# Altium PCB Shuttler_AMC.PcbDoc (part 2 of 12)
Units mm, origin at the board's own origin, x right, y up, seen from the top; angles counter-clockwise.
Board outline 180.71 x 148.55 mm, 12 copper layers (Layer 1, Layer 2, Layer 3, Layer 4, Layer 5, Layer 6, Layer 7, Layer 8, Layer 9, Layer 10, Layer 11, Layer 12), stack 2.14 mm thick; 1184 components, 1698 nets, 9088 pads, 920 vias.
Unrouted connection lines stored in the file: 1441.
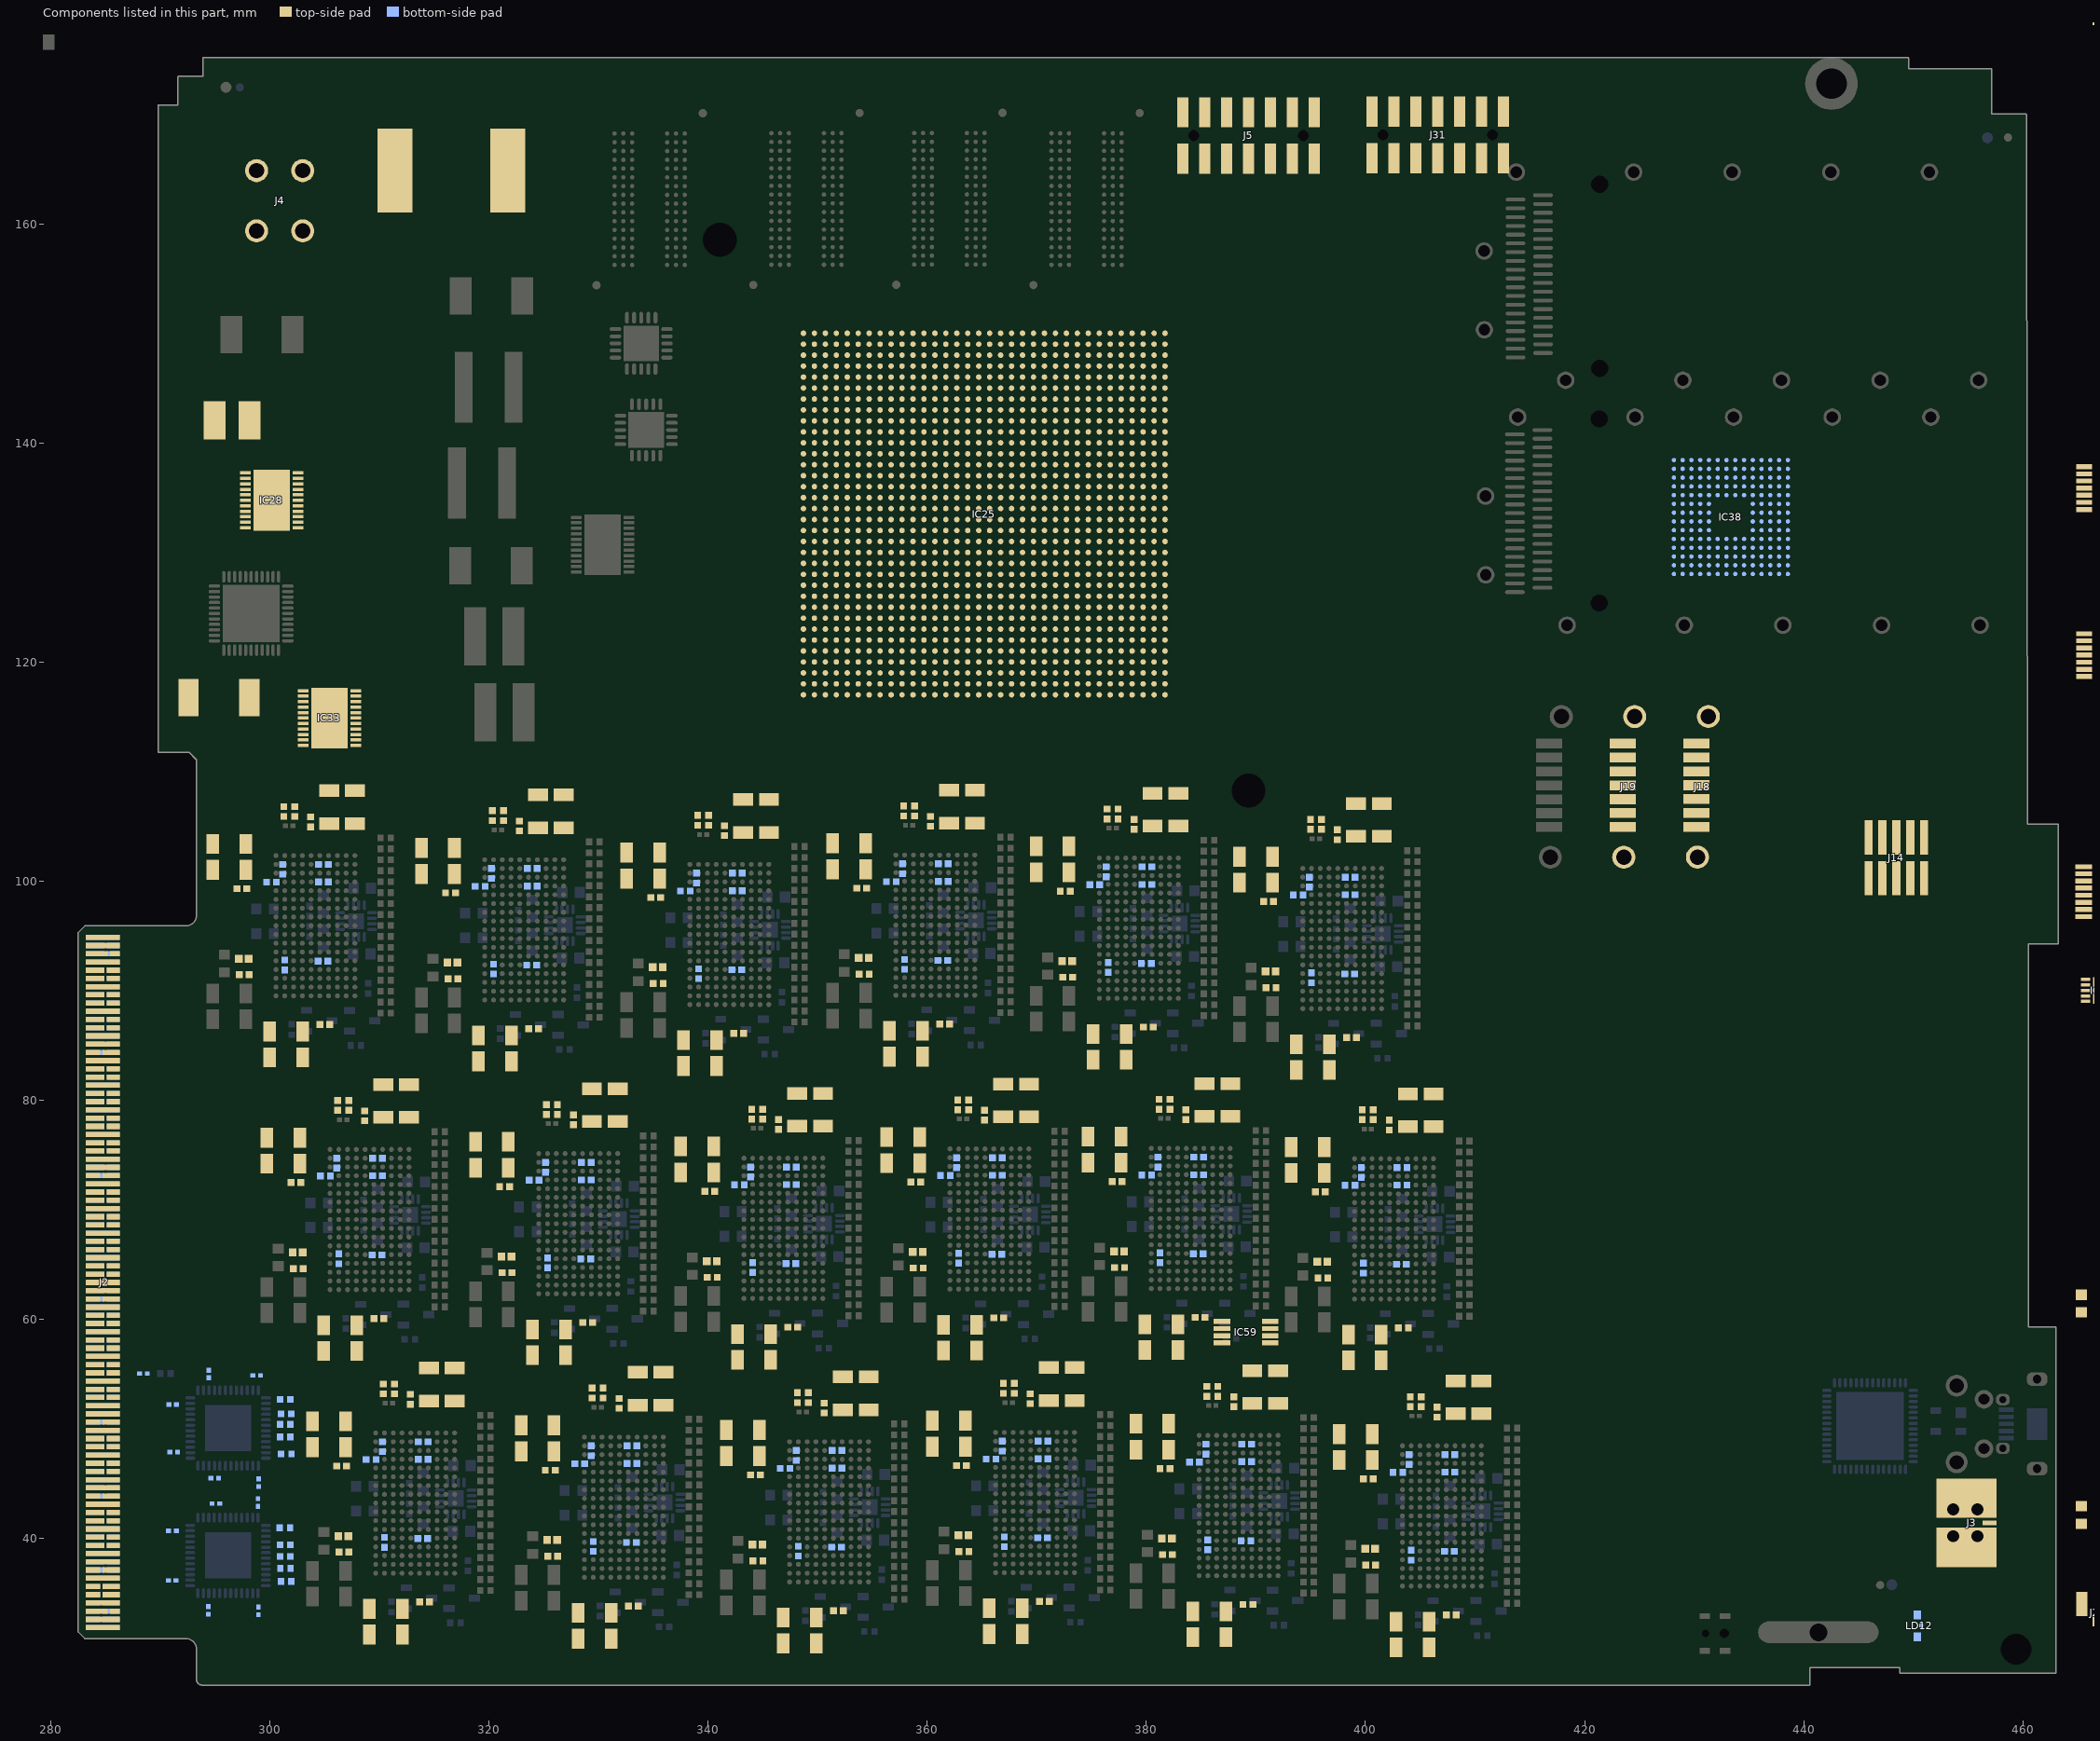
[diagram p8: the components of this part, seen from the top]

## Classes and differential pairs (continued)
component class PWR_Buck_4V_20A: C296 C414 C427 C428 C429 C430 C431 C432 IC33 L34 R368 R369 R371 R376 R377 R378 R379 R380 R381 R382 R383 R384 R385
component class PWR_0V9_20A: C16 C17 C186 C187 C188 C189 C190 C191 C249 C250 C259 C260 C261 C262 C263 C264 C265 C266 C267 C293 IC28 L25 LD11 R31 R32 R45 R233 R234 R241 R242 R245 R246 R247 R248 R249 R250 R251 R299 R310 R311 R312 R313 T13 TP28
component class POWER_Management: C282 C306 C413 C479 C672 C673 C674 C675 C708 D4 D24 D28 IC41 IC54 J4 L37 R314 R333 R334 R335 R336 R337 R338 R339 R541 R542 R543 R562 T2 T7 T15 T16 T17
component class M-LVDS_PHY: C27 C28 C29 C30 C31 C32 C33 C34 C35 C36 C37 C38 C577 C579 C680 C681 IC74 IC75 R60 R61 R62 R63 R64 R65 R66 R67 R68 R69
component class JTAG_Configuration: C232 C233 C234 C273 C274 D5 D6 D8 D9 D11 D12 D13 D14 D15 D16 D17 D18 D25 D26 IC16 IC32 IC40 J5 R128 R129 R130 R131 R132 R133 R134 R135 R136 R137 R138 R139 R140 R141 R142 R149 R151 R152 R153 R154 R201 R202 R203 R205 R207 R210 T1 T3 T5
component class I2C_MUX: B1 B2 B3 B4 C22 C285 IC9 IC52 R40 R47 R48 R49 R50 R51 R52 R53 R54 R55 R56 R57 R58 R59 R217 R218 R219 R505 R506 R517 R518 R519 R526 R527 R528 R529 R530
component class FPGA_Power: C193 C194 L16
component class FPGA_Decoupling: C195 C196 C197 C198 C199 C200 C201 C202 C203 C204 C205 C206 C207 C208 C209 C210 C211 C212 C213 C214 C215 C346 C347 C348 C349 C350 C351 C352 C353 C354 C355 C356 C357 C358 C359 C360 C361 C362 C363 C364 C365 C366 C367 C368 C369 C370 C371 C372 C373 C374 C375 C376 C377 C378 C379 C380 C381 C382 C383 C384 C385 C386 C387 C388 C389 C390 C391 C392 C393 C394 C395 C396 C397 C398 C399 C400 C401 C440 C441 C442 C443 C444 C445 C446 C447 C448 C449 C450 C451 C452 C453 C454 C455 C456 C457 C458 C459 C460 C461 C462 C463 C464 C465 C466 C467 C468 C469 C470 C471 C472 C473 C474 C475 C476 C477 C503 C504 C505 C506 C507 C508 C509 C510 C511
component class FPGA_Banks_GTH: C251 C252 C576 C578 C580 C607 C608 C609 C610 C611 C612 C613 C625 C626 C627 C628 C629 C630 C636 C637 C638 C639 C640 C641 C642 C643 C662 C663 C664 C665 C666 C667 C668 C669 J18 J19 J20 J21 J22 J23 L35 L36 OSC1 OSC2 R301 R303 R317 R318
component class FPGA_Banks_64_65_HR: C616 R253 R254 R258 R270 R291 R292 R293 R294 R297 R298 R409 R410 R411 R412 R413
component class FPGA_Banks_44_45_46_DDR64: C685 C686 IC25 J16 J17 R194 R195 R196 R305 R347 R348 R349 R350 R351 R352 R353 R354 R421 R422
component class FPGA_Bank_0_CFG: C216 C217 C218 C219 C220 C222 C223 C272 C403 C404 C631 C677 C678 C679 HS1 IC23 IC24 IC42 LD21 R171 R172 R173 R174 R175 R181 R182 R183 R184 R185 R186 R187 R188 R189 R190 R191 R192 R193 R304 R340 R342 R343 R344 R404 R515 R516 R520 R521 R522 R523 SW1 T22
component class ETH_PHY_RMII: C342 C343 C344 C345 C581 C582 C583 C584 C585 C586 C587 C588 C589 C590 C591 C592 C593 C594 C595 C596 C597 C598 C599 C600 C601 C602 C603 C604 C605 C606 IC76 IC77 J31 L54 L55 LD14 LD15 LD16 Q4 R244 R252 R278 R279 R280 R300 R302 R306 R327 R365 R366 R370 R372 R373 R374 R375 T4
component class DACs: IC65 IC66 IC67 IC68 IC69 IC70 IC71 TP1 TP9
component class DAC_supply: C221 C224 C228 C229 C230 C231 C271 C486 C487 C488 C489 C493 C494 C539 C540 C541 C543 C544 C545 C546 C547 C548 C549 C550 C551 C552 C553 C557 C558 C559 C560 C561 C562 C563 IC27 IC43 IC58 IC59 IC60 IC61 IC63 IC64 R44 R146 R147 R148 R150 R168 R169 R346 R359 R360
component class CPU_LPC1776: C88 C89 C90 C91 C92 C93 C94 C95 C235 C236 C237 C238 C239 C240 C241 C242 C243 C244 C245 C246 C247 C248 D7 D10 D19 D20 D21 D22 D23 D30 IC6 IC38 J14 L38 LD4 LD12 LD13 Q3 R42 R105 R106 R127 R257 R259 R260 R261 R262 R263 R264 R271 R272 R273 R274 R275 R276 R281 R282 R283 R284 R285 R286 R287 R288 R289 R290 R295 R441 R442 R443 R444 R445 R502 R503 R504 R544 R545 R546 SW2 T27 TP2 TP3 TP4 TP5 TP6 TP7 TP8
component class Clock_Distribution_PLL: C20 C21 C23 C120 C121 C122 C125 C126 C128 C129 C130 C131 C132 C133 C134 C135 C136 C137 C138 C139 C140 C142 C143 C144 C145 C146 C147 C148 C149 C150 C151 C152 C153 C154 C155 C156 C157 C158 C159 C160 C161 C162 C163 C164 C169 C170 C171 C172 C173 C174 C175 C176 C177 C178 C179 C180 C181 C182 C183 C184 C185 C192 C226 C227 IC12 IC17 IC19 IC20 IC22 J3 L5 L8 L9 L10 L11 L12 R24 R25 R26 R27 R33 R34 R35 R36 R37 R38 R39 R41 R43 R107 R108 R109 R110 R111 R112 R113 R114 R115 R116 R117 R118 R121 R122 R123 R124 R125 R126 TR1
component class clk_supply: C13 C14 C15 C18 C19 C24 C25 C123 C124 C141 C165 C166 C167 C168 C225 IC4 IC5 IC7 IC13 IC21 L4 L6 L7 L13 L32 R10 R22 R28 R29 R30
component class Clk_recovery: C253 C254 C255 C256 C257 C258 C268 C269 C270 C275 C276 C284 C289 C290 C291 C292 C301 C302 C303 C304 C307 C308 C318 C323 C324 C325 C326 C327 C328 C329 C330 C331 C332 C333 C334 C335 C336 C337 C338 C339 C340 C341 C402 C512 C670 C671 C682 IC26 IC56 IC57 J6 J7 J8 J9 J10 J11 J12 J15 J24 L14 L15 L27 L33 OSC3 OSC4 Q2 R119 R120 R155 R156 R157 R158 R159 R160 R161 R162 R163 R164 R165 R166 R167 R170 R176 R177 R178 R179 R180 R197 R198 R199 R200 R204 R206 R208 R209 R211 R220 R243 R296 R345 TP22 TP23 TP24 TP25 TP26 TP27
component class Amplifier18: R319_Amplifier18 R320_Amplifier18 R321_Amplifier18 R322_Amplifier18 R328_Amplifier18 R363_Amplifier18 R364_Amplifier18 R367_Amplifier18 T14_Amplifier18 T19_Amplifier18
component class Amplifier17: R319_Amplifier17 R320_Amplifier17 R321_Amplifier17 R322_Amplifier17 R328_Amplifier17 R363_Amplifier17 R364_Amplifier17 R367_Amplifier17 T14_Amplifier17 T19_Amplifier17
component class Amplifier16: R319_Amplifier16 R320_Amplifier16 R321_Amplifier16 R322_Amplifier16 R328_Amplifier16 R363_Amplifier16 R364_Amplifier16 R367_Amplifier16 T14_Amplifier16 T19_Amplifier16
component class Amplifier15: R319_Amplifier15 R320_Amplifier15 R321_Amplifier15 R322_Amplifier15 R328_Amplifier15 R363_Amplifier15 R364_Amplifier15 R367_Amplifier15 T14_Amplifier15 T19_Amplifier15
component class Amplifier14: IC62_Amplifier14 L29_Amplifier14 L30_Amplifier14 R319_Amplifier14 R320_Amplifier14 R321_Amplifier14 R322_Amplifier14 R328_Amplifier14 R363_Amplifier14 R364_Amplifier14 R367_Amplifier14 T14_Amplifier14 T19_Amplifier14
component class Amplifier13: R319_Amplifier13 R320_Amplifier13 R321_Amplifier13 R322_Amplifier13 R328_Amplifier13 R363_Amplifier13 R364_Amplifier13 R367_Amplifier13 T14_Amplifier13 T19_Amplifier13
component class Amplifier12: R319_Amplifier12 R320_Amplifier12 R321_Amplifier12 R322_Amplifier12 R328_Amplifier12 R363_Amplifier12 R364_Amplifier12 R367_Amplifier12 T14_Amplifier12 T19_Amplifier12
component class Amplifier11: R319_Amplifier11 R320_Amplifier11 R321_Amplifier11 R322_Amplifier11 R328_Amplifier11 R363_Amplifier11 R364_Amplifier11 R367_Amplifier11 T14_Amplifier11 T19_Amplifier11
component class Amplifier10: R319_Amplifier10 R320_Amplifier10 R321_Amplifier10 R322_Amplifier10 R328_Amplifier10 R363_Amplifier10 R364_Amplifier10 R367_Amplifier10 T14_Amplifier10 T19_Amplifier10
component class Amplifier9: R319_Amplifier9 R320_Amplifier9 R321_Amplifier9 R322_Amplifier9 R328_Amplifier9 R363_Amplifier9 R364_Amplifier9 R367_Amplifier9 T14_Amplifier9 T19_Amplifier9
component class Amplifier8: R319_Amplifier8 R320_Amplifier8 R321_Amplifier8 R322_Amplifier8 R328_Amplifier8 R363_Amplifier8 R364_Amplifier8 R367_Amplifier8 T14_Amplifier8 T19_Amplifier8
component class Amplifier7: R319_Amplifier7 R320_Amplifier7 R321_Amplifier7 R322_Amplifier7 R328_Amplifier7 R363_Amplifier7 R364_Amplifier7 R367_Amplifier7 T14_Amplifier7 T19_Amplifier7
component class Amplifier6: R319_Amplifier6 R320_Amplifier6 R321_Amplifier6 R322_Amplifier6 R328_Amplifier6 R363_Amplifier6 R364_Amplifier6 R367_Amplifier6 T14_Amplifier6 T19_Amplifier6
component class Amplifier5: R319_Amplifier5 R320_Amplifier5 R321_Amplifier5 R322_Amplifier5 R328_Amplifier5 R363_Amplifier5 R364_Amplifier5 R367_Amplifier5 T14_Amplifier5 T19_Amplifier5
component class Amplifier4: R319_Amplifier4 R320_Amplifier4 R321_Amplifier4 R322_Amplifier4 R328_Amplifier4 R363_Amplifier4 R364_Amplifier4 R367_Amplifier4 T14_Amplifier4 T19_Amplifier4
component class Amplifier3: R319_Amplifier3 R320_Amplifier3 R321_Amplifier3 R322_Amplifier3 R328_Amplifier3 R363_Amplifier3 R364_Amplifier3 R367_Amplifier3 T14_Amplifier3 T19_Amplifier3
component class Amplifier2: R319_Amplifier2 R320_Amplifier2 R321_Amplifier2 R322_Amplifier2 R328_Amplifier2 R363_Amplifier2 R364_Amplifier2 R367_Amplifier2 T14_Amplifier2 T19_Amplifier2
component class Amplifier1: R319_Amplifier1 R320_Amplifier1 R321_Amplifier1 R322_Amplifier1 R328_Amplifier1 R363_Amplifier1 R364_Amplifier1 R367_Amplifier1 T14_Amplifier1 T19_Amplifier1
component class AMC_Connector: D2 J2
differential pair USB_D_R: +USB_D_R_P -USB_D_R_N
differential pair Tx11: +TX11_P -TX11_N
differential pair Tx10: +TX10_P -TX10_N
differential pair Tx9: +TX9_P -TX9_N
differential pair Tx8: +TX8_P -TX8_N
differential pair Tx3: +Tx3_P -Tx3_N
differential pair Tx2: +Tx2_P -Tx2_N
differential pair Tx1: +Tx1_P -Tx1_N
differential pair TX0: +TX0_P -TX0_N
differential pair TX0C: +TX0C_P -TX0C_N
differential pair TCLKB: +TCLKB_P -TCLKB_N
differential pair TCLKA: +TCLKA_P -TCLKA_N
differential pair SDRAM_DDR3_x64.DDR3_64_DQS7: +SDRAM_DDR3_x64.DDR3_64_DQS7_P -SDRAM_DDR3_x64.DDR3_64_DQS7_N
differential pair SDRAM_DDR3_x64.DDR3_64_DQS6: +SDRAM_DDR3_x64.DDR3_64_DQS6_P -SDRAM_DDR3_x64.DDR3_64_DQS6_N
differential pair SDRAM_DDR3_x64.DDR3_64_DQS5: +SDRAM_DDR3_x64.DDR3_64_DQS5_P -SDRAM_DDR3_x64.DDR3_64_DQS5_N
differential pair SDRAM_DDR3_x64.DDR3_64_DQS4: +SDRAM_DDR3_x64.DDR3_64_DQS4_P -SDRAM_DDR3_x64.DDR3_64_DQS4_N
differential pair SDRAM_DDR3_x64.DDR3_64_DQS3: +SDRAM_DDR3_x64.DDR3_64_DQS3_P -SDRAM_DDR3_x64.DDR3_64_DQS3_N
differential pair SDRAM_DDR3_x64.DDR3_64_DQS2: +SDRAM_DDR3_x64.DDR3_64_DQS2_P -SDRAM_DDR3_x64.DDR3_64_DQS2_N
differential pair SDRAM_DDR3_x64.DDR3_64_DQS1: +SDRAM_DDR3_x64.DDR3_64_DQS1_P -SDRAM_DDR3_x64.DDR3_64_DQS1_N
differential pair SDRAM_DDR3_x64.DDR3_64_DQS0: +SDRAM_DDR3_x64.DDR3_64_DQS0_P -SDRAM_DDR3_x64.DDR3_64_DQS0_N
differential pair Rx11: +RX11_P -RX11_N
differential pair Rx10: +RX10_P -RX10_N
differential pair Rx9: +RX9_P -RX9_N
differential pair Rx8: +RX8_P -RX8_N
differential pair Rx3: +Rx3_P -Rx3_N
differential pair Rx2: +Rx2_P -Rx2_N
differential pair Rx1: +Rx1_P -Rx1_N
differential pair RX0C: +RX0C_P -RX0C_N
differential pair RF: +RF_P -RF_N
differential pair RFC: +RFC_P -RFC_N
differential pair REFCLK227_C: +REFCLK227_C_P -REFCLK227_C_N
differential pair REC_CLOCK: +REC_CLOCK_P -REC_CLOCK_N
differential pair QSFP1.TX3: +QSFP1.TX3_P -QSFP1.TX3_N
differential pair QSFP1.TX2: +QSFP1.TX2_P -QSFP1.TX2_N
differential pair QSFP1.TX1: +QSFP1.TX1_P -QSFP1.TX1_N
differential pair QSFP1.TX0: +QSFP1.TX0_P -QSFP1.TX0_N
differential pair QSFP1.RX3: +QSFP1.RX3_P -QSFP1.RX3_N
differential pair QSFP1.RX2: +QSFP1.RX2_P -QSFP1.RX2_N
differential pair QSFP1.RX1: +QSFP1.RX1_P -QSFP1.RX1_N
differential pair QSFP1.RX0: +QSFP1.RX0_P -QSFP1.RX0_N
differential pair QSFP0.TX3: +QSFP0.TX3_P -QSFP0.TX3_N
differential pair QSFP0.TX2: +QSFP0.TX2_P -QSFP0.TX2_N
differential pair QSFP0.TX1: +QSFP0.TX1_P -QSFP0.TX1_N
differential pair QSFP0.TX0: +QSFP0.TX0_P -QSFP0.TX0_N
differential pair QSFP0.RX3: +QSFP0.RX3_P -QSFP0.RX3_N
differential pair QSFP0.RX2: +QSFP0.RX2_P -QSFP0.RX2_N
differential pair QSFP0.RX1: +QSFP0.RX1_P -QSFP0.RX1_N
differential pair QSFP0.RX0: +QSFP0.RX0_P -QSFP0.RX0_N
differential pair PORT0.Tx0: +PORT0.Tx0_P -PORT0.Tx0_N
differential pair PORT0.Rx0: +PORT0.Rx0_P -PORT0.Rx0_N
differential pair OUT: +OUT_P -OUT_N
differential pair MLVDS_AMC_PORTS.Tx20: +MLVDS_AMC_PORTS.Tx20_P -MLVDS_AMC_PORTS.Tx20_N
differential pair MLVDS_AMC_PORTS.Tx19: +MLVDS_AMC_PORTS.Tx19_P -MLVDS_AMC_PORTS.Tx19_N
differential pair MLVDS_AMC_PORTS.Tx18: +MLVDS_AMC_PORTS.Tx18_P -MLVDS_AMC_PORTS.Tx18_N
differential pair MLVDS_AMC_PORTS.Tx17: +MLVDS_AMC_PORTS.Tx17_P -MLVDS_AMC_PORTS.Tx17_N
differential pair MLVDS_AMC_PORTS.Rx20: +MLVDS_AMC_PORTS.Rx20_P -MLVDS_AMC_PORTS.Rx20_N
differential pair MLVDS_AMC_PORTS.Rx19: +MLVDS_AMC_PORTS.Rx19_P -MLVDS_AMC_PORTS.Rx19_N
differential pair MLVDS_AMC_PORTS.Rx18: +MLVDS_AMC_PORTS.Rx18_P -MLVDS_AMC_PORTS.Rx18_N
differential pair MLVDS_AMC_PORTS.Rx17: +MLVDS_AMC_PORTS.Rx17_P -MLVDS_AMC_PORTS.Rx17_N
differential pair Main_DCXO: +Main_DCXO_P -Main_DCXO_N
differential pair IOUT_U_DAC_LTC200018: +IOUT_U_DAC_LTC200018_P -IOUT_U_DAC_LTC200018_N
differential pair IOUT_U_DAC_LTC200017: +IOUT_U_DAC_LTC200017_P -IOUT_U_DAC_LTC200017_N
differential pair IOUT_U_DAC_LTC200016: +IOUT_U_DAC_LTC200016_P -IOUT_U_DAC_LTC200016_N
differential pair IOUT_U_DAC_LTC200015: +IOUT_U_DAC_LTC200015_P -IOUT_U_DAC_LTC200015_N
differential pair IOUT_U_DAC_LTC200014: +IOUT_U_DAC_LTC200014_P -IOUT_U_DAC_LTC200014_N
differential pair IOUT_U_DAC_LTC200013: +IOUT_U_DAC_LTC200013_P -IOUT_U_DAC_LTC200013_N
differential pair IOUT_U_DAC_LTC200012: +IOUT_U_DAC_LTC200012_P -IOUT_U_DAC_LTC200012_N
differential pair IOUT_U_DAC_LTC200011: +IOUT_U_DAC_LTC200011_P -IOUT_U_DAC_LTC200011_N
differential pair IOUT_U_DAC_LTC200010: +IOUT_U_DAC_LTC200010_P -IOUT_U_DAC_LTC200010_N
differential pair IOUT_U_DAC_LTC20009: +IOUT_U_DAC_LTC20009_P -IOUT_U_DAC_LTC20009_N
differential pair IOUT_U_DAC_LTC20008: +IOUT_U_DAC_LTC20008_P -IOUT_U_DAC_LTC20008_N
differential pair IOUT_U_DAC_LTC20007: +IOUT_U_DAC_LTC20007_P -IOUT_U_DAC_LTC20007_N
differential pair IOUT_U_DAC_LTC20006: +IOUT_U_DAC_LTC20006_P -IOUT_U_DAC_LTC20006_N
differential pair IOUT_U_DAC_LTC20005: +IOUT_U_DAC_LTC20005_P -IOUT_U_DAC_LTC20005_N
differential pair IOUT_U_DAC_LTC20004: +IOUT_U_DAC_LTC20004_P -IOUT_U_DAC_LTC20004_N
differential pair IOUT_U_DAC_LTC20003: +IOUT_U_DAC_LTC20003_P -IOUT_U_DAC_LTC20003_N
differential pair IOUT_U_DAC_LTC20002: +IOUT_U_DAC_LTC20002_P -IOUT_U_DAC_LTC20002_N
differential pair IOUT_U_DAC_LTC20001: +IOUT_U_DAC_LTC20001_P -IOUT_U_DAC_LTC20001_N
differential pair Helper_DCXO: +Helper_DCXO_P -Helper_DCXO_N
differential pair GTP2RXC: +GTP2RXC_P -GTP2RXC_N
differential pair GTP1RXC: +GTP1RXC_P -GTP1RXC_N
differential pair GTP0RXC: +GTP0RXC_P -GTP0RXC_N
differential pair FCLKAC: +FCLKAC_P -FCLKAC_N
differential pair FAT_PIPE1.Tx7: +FAT_PIPE1.Tx7_P -FAT_PIPE1.Tx7_N
differential pair FAT_PIPE1.Tx6: +FAT_PIPE1.Tx6_P -FAT_PIPE1.Tx6_N
differential pair FAT_PIPE1.Tx5: +FAT_PIPE1.Tx5_P -FAT_PIPE1.Tx5_N
differential pair FAT_PIPE1.Tx4: +FAT_PIPE1.Tx4_P -FAT_PIPE1.Tx4_N
differential pair FAT_PIPE1.Rx7: +FAT_PIPE1.Rx7_P -FAT_PIPE1.Rx7_N
differential pair FAT_PIPE1.Rx6: +FAT_PIPE1.Rx6_P -FAT_PIPE1.Rx6_N
differential pair FAT_PIPE1.Rx5: +FAT_PIPE1.Rx5_P -FAT_PIPE1.Rx5_N
differential pair FAT_PIPE1.Rx4: +FAT_PIPE1.Rx4_P -FAT_PIPE1.Rx4_N
differential pair EXT_REF_IN: +EXT_REF_IN_P -EXT_REF_IN_N
differential pair DACs_1: +DACs_1_P -DACs_1_N
differential pair DACs_0: +DACs_0_P -DACs_0_N
differential pair DAC_CLK_IN.CLK17: +DAC_CLK_IN.CLK17_P -DAC_CLK_IN.CLK17_N
differential pair DAC_CLK_IN.CLK16: +DAC_CLK_IN.CLK16_P -DAC_CLK_IN.CLK16_N
differential pair DAC_CLK_IN.CLK15: +DAC_CLK_IN.CLK15_P -DAC_CLK_IN.CLK15_N
differential pair DAC_CLK_IN.CLK14: +DAC_CLK_IN.CLK14_P -DAC_CLK_IN.CLK14_N
differential pair DAC_CLK_IN.CLK13: +DAC_CLK_IN.CLK13_P -DAC_CLK_IN.CLK13_N
differential pair DAC_CLK_IN.CLK12: +DAC_CLK_IN.CLK12_P -DAC_CLK_IN.CLK12_N
differential pair DAC_CLK_IN.CLK11: +DAC_CLK_IN.CLK11_P -DAC_CLK_IN.CLK11_N
differential pair DAC_CLK_IN.CLK10: +DAC_CLK_IN.CLK10_P -DAC_CLK_IN.CLK10_N
differential pair DAC_CLK_IN.CLK9: +DAC_CLK_IN.CLK9_P -DAC_CLK_IN.CLK9_N
differential pair DAC_CLK_IN.CLK8: +DAC_CLK_IN.CLK8_P -DAC_CLK_IN.CLK8_N
differential pair DAC_CLK_IN.CLK7: +DAC_CLK_IN.CLK7_P -DAC_CLK_IN.CLK7_N
differential pair DAC_CLK_IN.CLK6: +DAC_CLK_IN.CLK6_P -DAC_CLK_IN.CLK6_N
differential pair DAC_CLK_IN.CLK5: +DAC_CLK_IN.CLK5_P -DAC_CLK_IN.CLK5_N
differential pair DAC_CLK_IN.CLK4: +DAC_CLK_IN.CLK4_P -DAC_CLK_IN.CLK4_N
differential pair DAC_CLK_IN.CLK3: +DAC_CLK_IN.CLK3_P -DAC_CLK_IN.CLK3_N
differential pair DAC_CLK_IN.CLK2: +DAC_CLK_IN.CLK2_P -DAC_CLK_IN.CLK2_N
differential pair DAC_CLK_IN.CLK1: +DAC_CLK_IN.CLK1_P -DAC_CLK_IN.CLK1_N
differential pair DAC_CLK_IN.CLK0: +DAC_CLK_IN.CLK0_P -DAC_CLK_IN.CLK0_N
differential pair CLK_RFU: +CLK_RFU_P -CLK_RFU_N
differential pair CLK_IN_FPGA: +CLK_IN_FPGA_P -CLK_IN_FPGA_N
differential pair CLK_200MHz: +CLK_200MHz_P -CLK_200MHz_N
differential pair CLEAN3: +CLEAN3_P -CLEAN3_N
differential pair CLEAN2: +CLEAN2_P -CLEAN2_N
differential pair CLEAN1: +CLEAN1_P -CLEAN1_N
differential pair CKOUT1: +CKOUT1_P -CKOUT1_N
differential pair CKOUT1_B: +CKOUT1_B_P -CKOUT1_B_N
differential pair CK_U_DAC_LTC200018: +CK_U_DAC_LTC200018_P -CK_U_DAC_LTC200018_N
differential pair CK_U_DAC_LTC200017: +CK_U_DAC_LTC200017_P -CK_U_DAC_LTC200017_N
differential pair CK_U_DAC_LTC200016: +CK_U_DAC_LTC200016_P -CK_U_DAC_LTC200016_N
differential pair CK_U_DAC_LTC200015: +CK_U_DAC_LTC200015_P -CK_U_DAC_LTC200015_N
differential pair CK_U_DAC_LTC200014: +CK_U_DAC_LTC200014_P -CK_U_DAC_LTC200014_N
differential pair CK_U_DAC_LTC200013: +CK_U_DAC_LTC200013_P -CK_U_DAC_LTC200013_N
differential pair CK_U_DAC_LTC200012: +CK_U_DAC_LTC200012_P -CK_U_DAC_LTC200012_N
differential pair CK_U_DAC_LTC200011: +CK_U_DAC_LTC200011_P -CK_U_DAC_LTC200011_N
differential pair CK_U_DAC_LTC200010: +CK_U_DAC_LTC200010_P -CK_U_DAC_LTC200010_N
differential pair CK_U_DAC_LTC20009: +CK_U_DAC_LTC20009_P -CK_U_DAC_LTC20009_N
differential pair CK_U_DAC_LTC20008: +CK_U_DAC_LTC20008_P -CK_U_DAC_LTC20008_N
differential pair CK_U_DAC_LTC20007: +CK_U_DAC_LTC20007_P -CK_U_DAC_LTC20007_N
differential pair CK_U_DAC_LTC20006: +CK_U_DAC_LTC20006_P -CK_U_DAC_LTC20006_N
differential pair CK_U_DAC_LTC20005: +CK_U_DAC_LTC20005_P -CK_U_DAC_LTC20005_N
differential pair CK_U_DAC_LTC20004: +CK_U_DAC_LTC20004_P -CK_U_DAC_LTC20004_N
differential pair CK_U_DAC_LTC20003: +CK_U_DAC_LTC20003_P -CK_U_DAC_LTC20003_N
differential pair CK_U_DAC_LTC20002: +CK_U_DAC_LTC20002_P -CK_U_DAC_LTC20002_N
differential pair CK_U_DAC_LTC20001: +CK_U_DAC_LTC20001_P -CK_U_DAC_LTC20001_N
differential pair CDR_CLK_CLEAN3: +CDR_CLK_CLEAN3_P -CDR_CLK_CLEAN3_N
differential pair CDR_CLK_CLEAN2.CLK: +CDR_CLK_CLEAN2.CLK_P -CDR_CLK_CLEAN2.CLK_N
differential pair CDR_CLK_CLEAN1.CLK: +CDR_CLK_CLEAN1.CLK_P -CDR_CLK_CLEAN1.CLK_N
differential pair AUX_CLOCK_C2: +AUX_CLOCK_C2_P -AUX_CLOCK_C2_N
differential pair AUX_CLOCK_2: +AUX_CLOCK_2_P -AUX_CLOCK_2_N
differential pair AOUT17: +AOUT_P17 -AOUT_N17
differential pair AOUT16: +AOUT_P16 -AOUT_N16
differential pair AOUT15: +AOUT_P15 -AOUT_N15
differential pair AOUT14: +AOUT_P14 -AOUT_N14
differential pair AOUT13: +AOUT_P13 -AOUT_N13
differential pair AOUT12: +AOUT_P12 -AOUT_N12
differential pair AOUT11: +AOUT_P11 -AOUT_N11
differential pair AOUT10: +AOUT_P10 -AOUT_N10
differential pair AOUT9: +AOUT_P9 -AOUT_N9
differential pair AOUT8: +AOUT_P8 -AOUT_N8
differential pair AOUT7: +AOUT_P7 -AOUT_N7
differential pair AOUT6: +AOUT_P6 -AOUT_N6
differential pair AOUT5: +AOUT_P5 -AOUT_N5
differential pair AOUT4: +AOUT_P4 -AOUT_N4
differential pair AOUT3: +AOUT_P3 -AOUT_N3
differential pair AOUT2: +AOUT_P2 -AOUT_N2
differential pair AOUT1: +AOUT_P1 -AOUT_N1
differential pair AOUT0: +AOUT_P0 -AOUT_N0
differential pair AMC_TELECOM_CLOCK.TCLKD: +AMC_TELECOM_CLOCK.TCLKD_P -AMC_TELECOM_CLOCK.TCLKD_N
differential pair AMC_TELECOM_CLOCK.TCLKC: +AMC_TELECOM_CLOCK.TCLKC_P -AMC_TELECOM_CLOCK.TCLKC_N
differential pair AMC_TELECOM_CLOCK.TCLKB: +AMC_TELECOM_CLOCK.TCLKB_P -AMC_TELECOM_CLOCK.TCLKB_N
differential pair AMC_TELECOM_CLOCK.TCLKA: +AMC_TELECOM_CLOCK.TCLKA_P -AMC_TELECOM_CLOCK.TCLKA_N
differential pair AMC_P2P.Tx15: +AMC_P2P.Tx15_P -AMC_P2P.Tx15_N
differential pair AMC_P2P.Tx14: +AMC_P2P.Tx14_P -AMC_P2P.Tx14_N
differential pair AMC_P2P.Tx13: +AMC_P2P.Tx13_P -AMC_P2P.Tx13_N
differential pair AMC_P2P.Tx12: +AMC_P2P.Tx12_P -AMC_P2P.Tx12_N
differential pair AMC_P2P.Rx15: +AMC_P2P.Rx15_P -AMC_P2P.Rx15_N
differential pair AMC_P2P.Rx14: +AMC_P2P.Rx14_P -AMC_P2P.Rx14_N
differential pair AMC_P2P.Rx13: +AMC_P2P.Rx13_P -AMC_P2P.Rx13_N
differential pair AMC_P2P.Rx12: +AMC_P2P.Rx12_P -AMC_P2P.Rx12_N
differential pair AMC_FABRIC_CLOCK.FCLKA: +AMC_FABRIC_CLOCK.FCLKA_P -AMC_FABRIC_CLOCK.FCLKA_N
differential pair ALT_PORT0.Tx0: +ALT_PORT0.Tx0_P -ALT_PORT0.Tx0_N
differential pair ALT_PORT0.Rx0: +ALT_PORT0.Rx0_P -ALT_PORT0.Rx0_N
